# KiCad board rabbit_mask.kicad_pcb (continued)
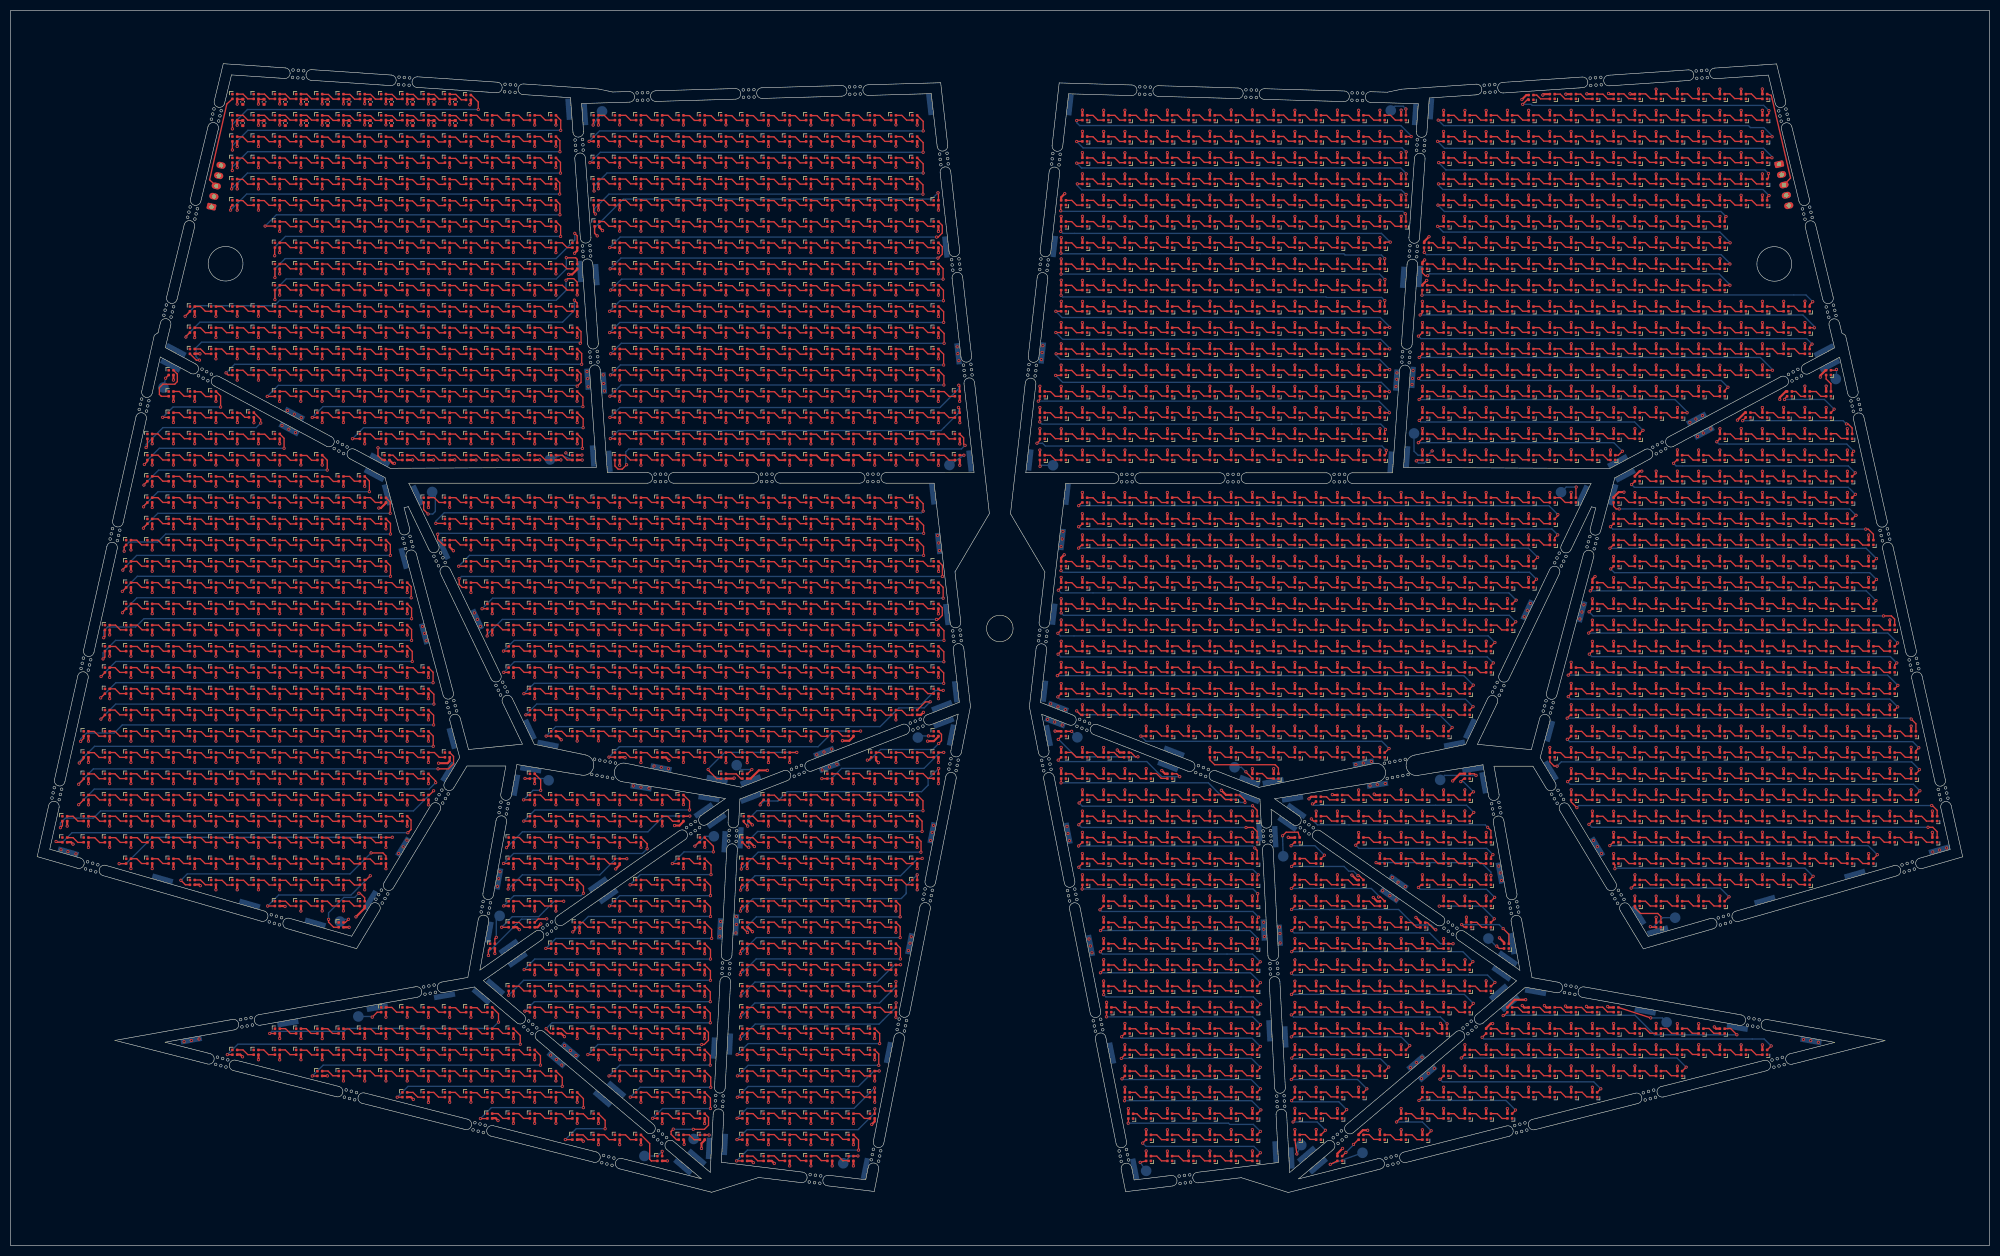
[diagram p0: board, top side]
## Routing (per net, layer and track width the routed paths; a pad name or vN(x,y) marks a point on that pad's centre or on a via; arc(x,y) is an arc through that point) (continued)
Net-(D225-DOUT): length 3.5
  Top w0.25: D226.1 116.65,187.91 115.75,188.81 D225.3
Net-(D226-DOUT): length 3.5
  Top w0.25: 118.7,188.81 119.8,188.81 120.7,187.91 121.8,187.91
Net-(D227-DOUT): length 3.5
  Top w0.25: 122.6,188.81 123.7,188.81 124.6,187.91 125.7,187.91
Net-(D228-DOUT): length 3.5
  Top w0.25: D228.3 127.75,188.81 128.65,187.91 D229.1
Net-(D229-DOUT): length 3.5
  Top w0.25: 133.8,187.86 132.7,187.86 131.8,188.76 130.7,188.76
Net-(D230-DOUT): length 3.5
  Top w0.25: 134.75,188.76 135.85,188.76 136.75,187.86 137.85,187.86
Net-(D231-DOUT): length 3.5
  Top w0.25: 138.65,188.76 139.75,188.76 140.65,187.86 141.75,187.86
Net-(D232-DOUT): length 3.5
  Top w0.25: 145.8,187.86 144.7,187.86 143.8,188.76 142.7,188.76
Net-(D233-DOUT): length 3.5
  Top w0.25: 149.7,187.86 148.6,187.86 147.7,188.76 146.6,188.76
Net-(D234-DOUT): length 3.5
  Top w0.25: 150.6,188.76 151.7,188.76 152.6,187.86 153.7,187.86
Net-(D235-DOUT): length 3.5
  Top w0.25: 157.8,187.86 156.7,187.86 155.8,188.76 154.7,188.76
Net-(D236-DOUT): length 3.5
  Top w0.25: D236.3 159.75,188.81 160.65,187.91 D237.1
Net-(D237-DOUT): length 3.5
  Top w0.25: 165.65,187.91 164.55,187.91 163.65,188.81 162.55,188.81
Net-(D238-DOUT): length 3.5
  Top w0.25: 166.55,188.81 167.65,188.81 168.55,187.91 169.65,187.91
Net-(D239-DOUT): length 3.5
  Top w0.25: D239.3 171.75,188.81 172.65,187.91 D240.1
Net-(D240-DOUT): length 67
  Top w0.25: D256.1 113.74,183.9 v1(112.85,183.9) ; v1(174.55,185.93) 174.65,185.93 175.38,186.66 175.38,188.09 D240.3
  Bottom w0.25: v1(112.85,183.9) 114.88,185.93 v1(174.55,185.93)
Net-(D241-DOUT): length 3.5
  Top w0.25: D241.3 51.75,184.81 52.65,183.91 D242.1
Net-(D242-DOUT): length 3.5
  Top w0.25: 54.7,184.81 55.8,184.81 56.7,183.91 57.8,183.91
Net-(D243-DOUT): length 3.5
  Top w0.25: 58.6,184.81 59.7,184.81 60.6,183.91 61.7,183.91
Net-(D244-DOUT): length 3.5
  Top w0.25: D245.1 64.65,183.91 63.75,184.81 D244.3
Net-(D245-DOUT): length 3.5
  Top w0.25: 66.7,184.76 67.8,184.76 68.7,183.86 69.8,183.86
Net-(D246-DOUT): length 3.5
  Top w0.25: 73.85,183.86 72.75,183.86 71.85,184.76 70.75,184.76
Net-(D247-DOUT): length 3.5
  Top w0.25: 74.65,184.76 75.75,184.76 76.65,183.86 77.75,183.86
Net-(D248-DOUT): length 3.5
  Top w0.25: 81.8,183.86 80.7,183.86 79.8,184.76 78.7,184.76
Net-(D249-DOUT): length 3.5
  Top w0.25: 82.6,184.76 83.7,184.76 84.6,183.86 85.7,183.86
Net-(D250-DOUT): length 3.5
  Top w0.25: 86.6,184.76 87.7,184.76 88.6,183.86 89.7,183.86
Net-(D251-DOUT): length 3.5
  Top w0.25: 93.8,183.86 92.7,183.86 91.8,184.76 90.7,184.76
Net-(D252-DOUT): length 3.5
  Top w0.25: D253.1 96.65,183.91 95.75,184.81 D252.3
Net-(D253-DOUT): length 3.5
  Top w0.25: D254.1 100.65,183.91 99.75,184.81 D253.3
Net-(D254-DOUT): length 3.5
  Top w0.25: 105.85,183.91 104.75,183.91 103.85,184.81 102.75,184.81
Net-(D255-DOUT): length 65.2
  Top w0.25: v1(49.75,178.11) D272.1 ; v1(104.6,185.99) 106.38,185.99 106.65,185.71 D255.3
  Bottom w0.25: v1(49.75,178.11) 49.75,179.89 51.88,182.01 102.73,182.01 104.6,183.89 v1(104.6,185.99)
Net-(D256-DOUT): length 3.5
  Top w0.25: D256.3 115.75,184.81 116.65,183.91 D257.1
Net-(D257-DOUT): length 3.5
  Top w0.25: 121.8,183.91 120.7,183.91 119.8,184.81 118.7,184.81
Net-(D258-DOUT): length 3.5
  Top w0.25: 122.6,184.81 123.7,184.81 124.6,183.91 125.7,183.91
Net-(D259-DOUT): length 3.5
  Top w0.25: D259.3 127.75,184.81 128.65,183.91 D260.1
Net-(D260-DOUT): length 3.5
  Top w0.25: 133.8,183.86 132.7,183.86 131.8,184.76 130.7,184.76
Net-(D261-DOUT): length 3.5
  Top w0.25: 137.85,183.86 136.75,183.86 135.85,184.76 134.75,184.76
Net-(D262-DOUT): length 3.5
  Top w0.25: 141.75,183.86 140.65,183.86 139.75,184.76 138.65,184.76
Net-(D263-DOUT): length 3.5
  Top w0.25: 142.7,184.76 143.8,184.76 144.7,183.86 145.8,183.86
Net-(D264-DOUT): length 3.5
  Top w0.25: 146.6,184.76 147.7,184.76 148.6,183.86 149.7,183.86
Net-(D265-DOUT): length 3.5
  Top w0.25: 153.7,183.86 152.6,183.86 151.7,184.76 150.6,184.76
Net-(D266-DOUT): length 3.5
  Top w0.25: 157.8,183.86 156.7,183.86 155.8,184.76 154.7,184.76
Net-(D267-DOUT): length 3.5
  Top w0.25: D267.3 159.75,184.81 160.65,183.91 D268.1
Net-(D268-DOUT): length 3.5
  Top w0.25: 165.65,183.91 164.55,183.91 163.65,184.81 162.55,184.81
Net-(D269-DOUT): length 3.5
  Top w0.25: 169.65,183.91 168.55,183.91 167.65,184.81 166.55,184.81
Net-(D270-DOUT): length 3.5
  Top w0.25: D271.1 172.65,183.91 171.75,184.81 D270.3
Net-(D271-DOUT): length 67.5
  Top w0.25: D287.1 113.74,179.9 v1(112.93,179.9) ; D271.3 175.53,183.93 v1(175.53,181.96)
  Bottom w0.25: v1(112.93,179.9) 114.99,181.96 v1(175.53,181.96)
Net-(D272-DOUT): length 3.5
  Top w0.25: D273.1 52.65,179.91 51.75,180.81 D272.3
Net-(D273-DOUT): length 3.5
  Top w0.25: 57.8,179.91 56.7,179.91 55.8,180.81 54.7,180.81
Net-(D274-DOUT): length 3.5
  Top w0.25: 61.7,179.91 60.6,179.91 59.7,180.81 58.6,180.81
Net-(D275-DOUT): length 3.5
  Top w0.25: D275.3 63.75,180.81 64.65,179.91 D276.1
Net-(D276-DOUT): length 3.5
  Top w0.25: 69.8,179.86 68.7,179.86 67.8,180.76 66.7,180.76
Net-(D277-DOUT): length 3.5
  Top w0.25: 70.75,180.76 71.85,180.76 72.75,179.86 73.85,179.86
Net-(D278-DOUT): length 3.5
  Top w0.25: 77.75,179.86 76.65,179.86 75.75,180.76 74.65,180.76
Net-(D279-DOUT): length 3.5
  Top w0.25: 81.8,179.86 80.7,179.86 79.8,180.76 78.7,180.76
Net-(D280-DOUT): length 3.5
  Top w0.25: 82.6,180.76 83.7,180.76 84.6,179.86 85.7,179.86
Net-(D281-DOUT): length 3.5
  Top w0.25: 86.6,180.76 87.7,180.76 88.6,179.86 89.7,179.86
Net-(D282-DOUT): length 3.5
  Top w0.25: 93.8,179.86 92.7,179.86 91.8,180.76 90.7,180.76
Net-(D283-DOUT): length 3.5
  Top w0.25: D284.1 96.65,179.91 95.75,180.81 D283.3
Net-(D284-DOUT): length 3.5
  Top w0.25: D285.1 100.65,179.91 99.75,180.81 D284.3
Net-(D285-DOUT): length 3.5
  Top w0.25: 105.85,179.91 104.75,179.91 103.85,180.81 102.75,180.81
Net-(D286-DOUT): length 80.1
  Top w0.25: v1(32.85,174.96) 33.75,175.86 D303.1 ; v1(104.55,181.76) 104.85,182.06 106,182.06 106.65,181.41 D286.3
  Bottom w0.25: v1(32.85,174.96) 32.85,175.01 34.8,176.96 49.63,176.96 50.65,177.99 102.7,177.99 104.55,179.84 v1(104.55,181.76)
Net-(D287-DOUT): length 3.5
  Top w0.25: 117.75,179.89 116.65,179.89 115.75,180.79 114.65,180.79
Net-(D288-DOUT): length 3.5
  Top w0.25: 121.8,179.89 120.7,179.89 119.8,180.79 118.7,180.79
Net-(D289-DOUT): length 3.5
  Top w0.25: 122.6,180.79 123.7,180.79 124.6,179.89 125.7,179.89
Net-(D290-DOUT): length 3.5
  Top w0.25: 126.65,180.79 127.75,180.79 128.65,179.89 129.75,179.89
Net-(D291-DOUT): length 3.5
  Top w0.25: 130.7,180.74 131.8,180.74 132.7,179.84 133.8,179.84
Net-(D292-DOUT): length 3.5
  Top w0.25: 134.75,180.74 135.85,180.74 136.75,179.84 137.85,179.84
Net-(D293-DOUT): length 3.5
  Top w0.25: 138.65,180.74 139.75,180.74 140.65,179.84 141.75,179.84
Net-(D294-DOUT): length 3.5
  Top w0.25: 142.7,180.74 143.8,180.74 144.7,179.84 145.8,179.84
Net-(D295-DOUT): length 3.5
  Top w0.25: 149.7,179.84 148.6,179.84 147.7,180.74 146.6,180.74
Net-(D296-DOUT): length 3.5
  Top w0.25: 150.6,180.74 151.7,180.74 152.6,179.84 153.7,179.84
Net-(D297-DOUT): length 3.5
  Top w0.25: 154.7,180.74 155.8,180.74 156.7,179.84 157.8,179.84
Net-(D298-DOUT): length 3.5
  Top w0.25: 161.75,179.89 160.65,179.89 159.75,180.79 158.65,180.79
Net-(D299-DOUT): length 3.5
  Top w0.25: 162.55,180.79 163.65,180.79 164.55,179.89 165.65,179.89
Net-(D300-DOUT): length 3.5
  Top w0.25: 169.65,179.89 168.55,179.89 167.65,180.79 166.55,180.79
Net-(D301-DOUT): length 3.5
  Top w0.25: 173.75,179.89 172.65,179.89 171.75,180.79 170.65,180.79
Net-(D302-DOUT): length 68
  Top w0.25: D302.3 175.59,179.87 v1(175.59,177.9) ; v1(112.74,175.91) D322.1
  Bottom w0.25: v1(112.74,175.91) 114.73,177.9 v1(175.59,177.9)
Net-(D303-DOUT): length 3.5
  Top w0.25: D303.3 35.75,176.81 36.65,175.91 D304.1
Net-(D304-DOUT): length 3.5
  Top w0.25: D304.3 39.75,176.81 40.65,175.91 D305.1
Net-(D305-DOUT): length 3.5
  Top w0.25: 42.75,176.81 43.85,176.81 44.75,175.91 45.85,175.91
Net-(D306-DOUT): length 3.5
  Top w0.25: 49.75,175.89 48.65,175.89 47.75,176.79 46.65,176.79
Net-(D307-DOUT): length 3.5
  Top w0.25: 53.75,175.89 52.65,175.89 51.75,176.79 50.65,176.79
Net-(D308-DOUT): length 3.5
  Top w0.25: 54.7,176.79 55.8,176.79 56.7,175.89 57.8,175.89
Net-(D309-DOUT): length 3.5
  Top w0.25: 58.6,176.79 59.7,176.79 60.6,175.89 61.7,175.89
Net-(D310-DOUT): length 3.5
  Top w0.25: 62.65,176.79 63.75,176.79 64.65,175.89 65.75,175.89
Net-(D311-DOUT): length 3.5
  Top w0.25: 66.7,176.74 67.8,176.74 68.7,175.84 69.8,175.84
Net-(D312-DOUT): length 3.5
  Top w0.25: 73.85,175.84 72.75,175.84 71.85,176.74 70.75,176.74
Net-(D313-DOUT): length 3.5
  Top w0.25: 74.65,176.74 75.75,176.74 76.65,175.84 77.75,175.84
Net-(D314-DOUT): length 3.5
  Top w0.25: 78.7,176.74 79.8,176.74 80.7,175.84 81.8,175.84
Net-(D315-DOUT): length 3.5
  Top w0.25: 82.6,176.74 83.7,176.74 84.6,175.84 85.7,175.84
Net-(D316-DOUT): length 3.5
  Top w0.25: 86.6,176.74 87.7,176.74 88.6,175.84 89.7,175.84
Net-(D317-DOUT): length 3.5
  Top w0.25: 90.7,176.74 91.8,176.74 92.7,175.84 93.8,175.84
Net-(D318-DOUT): length 3.5
  Top w0.25: D318.3 95.75,176.81 96.65,175.91 D319.1
Net-(D319-DOUT): length 3.5
  Top w0.25: D320.1 100.65,175.91 99.75,176.81 D319.3
Net-(D320-DOUT): length 3.5
  Top w0.25: 102.75,176.81 103.85,176.81 104.75,175.91 105.85,175.91
Net-(D321-DOUT): length 79.8
  Top w0.25: D338.1 33,171.16 v1(33,171.06) ; D321.3 106.65,177.49 v1(106.13,178.01)
  Bottom w0.25: v1(106.13,178.01) 106.13,176.09 103.9,173.86 35.62,173.86 33,171.24 v1(33,171.06)
Net-(D322-DOUT): length 3.5
  Top w0.25: 117.75,175.89 116.65,175.89 115.75,176.79 114.65,176.79
Net-(D323-DOUT): length 3.5
  Top w0.25: 118.7,176.79 119.8,176.79 120.7,175.89 121.8,175.89
Net-(D324-DOUT): length 3.5
  Top w0.25: 122.6,176.79 123.7,176.79 124.6,175.89 125.7,175.89
Net-(D325-DOUT): length 3.5
  Top w0.25: 129.75,175.89 128.65,175.89 127.75,176.79 126.65,176.79
Net-(D326-DOUT): length 3.5
  Top w0.25: 130.7,176.74 131.8,176.74 132.7,175.84 133.8,175.84
Net-(D327-DOUT): length 3.5
  Top w0.25: 137.85,175.84 136.75,175.84 135.85,176.74 134.75,176.74
Net-(D328-DOUT): length 3.5
  Top w0.25: 138.65,176.74 139.75,176.74 140.65,175.84 141.75,175.84
Net-(D329-DOUT): length 3.5
  Top w0.25: 145.8,175.84 144.7,175.84 143.8,176.74 142.7,176.74
Net-(D330-DOUT): length 3.5
  Top w0.25: 146.6,176.74 147.7,176.74 148.6,175.84 149.7,175.84
Net-(D331-DOUT): length 3.5
  Top w0.25: 153.7,175.84 152.6,175.84 151.7,176.74 150.6,176.74
Net-(D332-DOUT): length 3.5
  Top w0.25: 154.7,176.74 155.8,176.74 156.7,175.84 157.8,175.84
Net-(D333-DOUT): length 3.5
  Top w0.25: 158.65,176.79 159.75,176.79 160.65,175.89 161.75,175.89
Net-(D334-DOUT): length 3.5
  Top w0.25: 162.55,176.79 163.65,176.79 164.55,175.89 165.65,175.89
Net-(D335-DOUT): length 3.5
  Top w0.25: 169.65,175.89 168.55,175.89 167.65,176.79 166.55,176.79
Net-(D336-DOUT): length 3.5
  Top w0.25: 170.65,176.79 171.75,176.79 172.65,175.89 173.75,175.89
Net-(D337-DOUT): length 68.1
  Top w0.25: D357.1 113.74,171.9 v1(112.76,171.9) ; v1(175.63,173.81) 175.63,175.83 D337.3
  Bottom w0.25: v1(175.63,173.81) 114.67,173.81 v1(112.76,171.9)
Net-(D338-DOUT): length 3.5
  Top w0.25: 34.65,172.79 35.75,172.79 36.65,171.89 37.75,171.89
Net-(D339-DOUT): length 3.5
  Top w0.25: 41.75,171.89 40.65,171.89 39.75,172.79 38.65,172.79
Net-(D340-DOUT): length 3.5
  Top w0.25: 45.85,171.89 44.75,171.89 43.85,172.79 42.75,172.79
Net-(D341-DOUT): length 3.5
  Top w0.25: D342.1 48.65,171.91 47.75,172.81 D341.3
Net-(D342-DOUT): length 3.5
  Top w0.25: D342.3 51.75,172.81 52.65,171.91 D343.1
Net-(D343-DOUT): length 3.5
  Top w0.25: 54.7,172.81 55.8,172.81 56.7,171.91 57.8,171.91
Net-(D344-DOUT): length 3.5
  Top w0.25: 58.6,172.81 59.7,172.81 60.6,171.91 61.7,171.91
Net-(D345-DOUT): length 3.5
  Top w0.25: D345.3 63.75,172.81 64.65,171.91 D346.1
Net-(D346-DOUT): length 3.5
  Top w0.25: 66.7,172.76 67.8,172.76 68.7,171.86 69.8,171.86
Net-(D347-DOUT): length 3.5
  Top w0.25: 73.85,171.86 72.75,171.86 71.85,172.76 70.75,172.76
Net-(D348-DOUT): length 3.5
  Top w0.25: 77.75,171.86 76.65,171.86 75.75,172.76 74.65,172.76
Net-(D349-DOUT): length 3.5
  Top w0.25: 78.7,172.76 79.8,172.76 80.7,171.86 81.8,171.86
Net-(D350-DOUT): length 3.5
  Top w0.25: 85.7,171.86 84.6,171.86 83.7,172.76 82.6,172.76
Net-(D351-DOUT): length 3.5
  Top w0.25: 86.6,172.76 87.7,172.76 88.6,171.86 89.7,171.86
Net-(D352-DOUT): length 3.5
  Top w0.25: 90.7,172.76 91.8,172.76 92.7,171.86 93.8,171.86
Net-(D353-DOUT): length 3.5
  Top w0.25: D353.3 95.75,172.81 96.65,171.91 D354.1
Net-(D354-DOUT): length 3.5
  Top w0.25: D354.3 99.75,172.81 100.65,171.91 D355.1
Net-(D355-DOUT): length 3.5
  Top w0.25: 105.85,171.91 104.75,171.91 103.85,172.81 102.75,172.81
Net-(D356-DOUT): length 81
  Top w0.25: D356.3 107.38,172.09 107.38,170.04 v1(107.23,169.89) ; D373.1 34.95,166.71 v1(35.55,166.71)
  Bottom w0.25: v1(35.55,166.71) 34.91,167.35 34.91,169.08 35.92,170.09 107.02,170.09 v1(107.23,169.89)
Net-(D357-DOUT): length 3.5
  Top w0.25: D357.3 115.75,172.81 116.65,171.91 D358.1
Net-(D358-DOUT): length 3.5
  Top w0.25: 121.8,171.91 120.7,171.91 119.8,172.81 118.7,172.81
Net-(D359-DOUT): length 3.5
  Top w0.25: 125.7,171.91 124.6,171.91 123.7,172.81 122.6,172.81
Net-(D360-DOUT): length 3.5
  Top w0.25: D361.1 128.65,171.91 127.75,172.81 D360.3
Net-(D361-DOUT): length 3.5
  Top w0.25: 133.8,171.86 132.7,171.86 131.8,172.76 130.7,172.76
Net-(D362-DOUT): length 3.5
  Top w0.25: 134.75,172.76 135.85,172.76 136.75,171.86 137.85,171.86
Net-(D363-DOUT): length 3.5
  Top w0.25: 141.75,171.86 140.65,171.86 139.75,172.76 138.65,172.76
Net-(D364-DOUT): length 3.5
  Top w0.25: 142.7,172.76 143.8,172.76 144.7,171.86 145.8,171.86
Net-(D365-DOUT): length 3.5
  Top w0.25: 146.6,172.76 147.7,172.76 148.6,171.86 149.7,171.86
Net-(D366-DOUT): length 3.5
  Top w0.25: 150.6,172.76 151.7,172.76 152.6,171.86 153.7,171.86
Net-(D367-DOUT): length 3.5
  Top w0.25: 157.8,171.86 156.7,171.86 155.8,172.76 154.7,172.76
Net-(D368-DOUT): length 3.5
  Top w0.25: D368.3 159.75,172.81 160.65,171.91 D369.1
Net-(D369-DOUT): length 3.5
  Top w0.25: 165.65,171.91 164.55,171.91 163.65,172.81 162.55,172.81
Net-(D370-DOUT): length 3.5
  Top w0.25: 166.55,172.81 167.65,172.81 168.55,171.91 169.65,171.91
Net-(D371-DOUT): length 3.5
  Top w0.25: D372.1 172.65,171.91 171.75,172.81 D371.3
Net-(D372-DOUT): length 67.7
  Top w0.25: D372.3 175.72,171.74 v1(175.72,169.88) ; v1(112.96,167.91) D392.1
  Bottom w0.25: v1(175.72,169.88) 114.93,169.88 v1(112.96,167.91)
Net-(D373-DOUT): length 3.5
  Top w0.25: D373.3 35.75,168.81 36.65,167.91 D374.1
Net-(D374-DOUT): length 3.5
  Top w0.25: D374.3 39.75,168.81 40.65,167.91 D375.1
Net-(D375-DOUT): length 3.5
  Top w0.25: 45.85,167.91 44.75,167.91 43.85,168.81 42.75,168.81
Net-(D376-DOUT): length 3.5
  Top w0.25: D376.3 47.75,168.81 48.65,167.91 D377.1
Net-(D377-DOUT): length 3.5
  Top w0.25: 50.65,168.79 51.75,168.79 52.65,167.89 53.75,167.89
Net-(D378-DOUT): length 3.5
  Top w0.25: 54.7,168.79 55.8,168.79 56.7,167.89 57.8,167.89
Net-(D379-DOUT): length 3.5
  Top w0.25: 61.7,167.89 60.6,167.89 59.7,168.79 58.6,168.79
Net-(D380-DOUT): length 3.5
  Top w0.25: 65.75,167.89 64.65,167.89 63.75,168.79 62.65,168.79
Net-(D381-DOUT): length 3.5
  Top w0.25: 66.7,168.74 67.8,168.74 68.7,167.84 69.8,167.84
Net-(D382-DOUT): length 3.5
  Top w0.25: 70.75,168.74 71.85,168.74 72.75,167.84 73.85,167.84
Net-(D383-DOUT): length 3.5
  Top w0.25: 74.65,168.74 75.75,168.74 76.65,167.84 77.75,167.84
Net-(D384-DOUT): length 3.5
  Top w0.25: 81.8,167.84 80.7,167.84 79.8,168.74 78.7,168.74
Net-(D385-DOUT): length 3.5
  Top w0.25: 85.7,167.84 84.6,167.84 83.7,168.74 82.6,168.74
Net-(D386-DOUT): length 3.5
  Top w0.25: 89.7,167.84 88.6,167.84 87.7,168.74 86.6,168.74
Net-(D387-DOUT): length 3.5
  Top w0.25: 90.7,168.74 91.8,168.74 92.7,167.84 93.8,167.84
Net-(D388-DOUT): length 3.5
  Top w0.25: D388.3 95.75,168.81 96.65,167.91 D389.1
Net-(D389-DOUT): length 3.5
  Top w0.25: D390.1 100.65,167.91 99.75,168.81 D389.3
Net-(D390-DOUT): length 3.5
  Top w0.25: 102.75,168.81 103.85,168.81 104.75,167.91 105.85,167.91
Net-(D391-DOUT): length 72.2
  Top w0.25: D409.1 40.95,163.91 v1(40.55,164.31) ; D391.3 107.5,167.96 v1(107.5,165.94)
  Bottom w0.25: v1(107.5,165.94) 42.17,165.94 v1(40.55,164.31)
Net-(D392-DOUT): length 3.5
  Top w0.25: 114.65,168.79 115.75,168.79 116.65,167.89 117.75,167.89
Net-(D393-DOUT): length 3.5
  Top w0.25: 121.8,167.89 120.7,167.89 119.8,168.79 118.7,168.79
Net-(D394-DOUT): length 3.5
  Top w0.25: 122.6,168.79 123.7,168.79 124.6,167.89 125.7,167.89
Net-(D395-DOUT): length 3.5
  Top w0.25: 126.65,168.79 127.75,168.79 128.65,167.89 129.75,167.89
Net-(D396-DOUT): length 3.5
  Top w0.25: 130.7,168.74 131.8,168.74 132.7,167.84 133.8,167.84
Net-(D397-DOUT): length 3.5
  Top w0.25: 137.85,167.84 136.75,167.84 135.85,168.74 134.75,168.74
Net-(D398-DOUT): length 3.5
  Top w0.25: 141.75,167.84 140.65,167.84 139.75,168.74 138.65,168.74
Net-(D399-DOUT): length 3.5
  Top w0.25: 142.7,168.74 143.8,168.74 144.7,167.84 145.8,167.84
Net-(D400-DOUT): length 3.5
  Top w0.25: 146.6,168.74 147.7,168.74 148.6,167.84 149.7,167.84
Net-(D401-DOUT): length 3.5
  Top w0.25: 150.6,168.74 151.7,168.74 152.6,167.84 153.7,167.84
Net-(D402-DOUT): length 3.5
  Top w0.25: 157.8,167.84 156.7,167.84 155.8,168.74 154.7,168.74
Net-(D403-DOUT): length 3.5
  Top w0.25: 161.75,167.89 160.65,167.89 159.75,168.79 158.65,168.79
Net-(D404-DOUT): length 3.5
  Top w0.25: 162.55,168.79 163.65,168.79 164.55,167.89 165.65,167.89
Net-(D405-DOUT): length 3.5
  Top w0.25: 169.65,167.89 168.55,167.89 167.65,168.79 166.55,168.79
Net-(D406-DOUT): length 3.5
  Top w0.25: 173.75,167.89 172.65,167.89 171.75,168.79 170.65,168.79
Net-(D407-DOUT): length 67.8
  Top w0.25: D407.3 175.63,167.83 v1(175.63,165.8) ; v1(112.9,163.92) 113.74,163.92 D426.1
  Bottom w0.25: v1(112.9,163.92) 114.78,165.8 v1(175.63,165.8)
Net-(D408-DOUT): length 9.5
  Top w0.25: D408.3 31.37,164.09 31.37,162.66 30.9,162.19 28.68,162.19 28,161.51 28,160.26 28.37,159.89 28.4,159.91 D442.1
Net-(D409-DOUT): length 3.5
  Top w0.25: D409.3 43.75,164.81 44.65,163.91 D410.1
Net-(D410-DOUT): length 3.5
  Top w0.25: D410.3 47.75,164.81 48.65,163.91 D411.1
Net-(D411-DOUT): length 3.5
  Top w0.25: D412.1 52.65,163.91 51.75,164.81 D411.3
Net-(D412-DOUT): length 3.5
  Top w0.25: 57.8,163.91 56.7,163.91 55.8,164.81 54.7,164.81
Net-(D413-DOUT): length 3.5
  Top w0.25: 61.7,163.91 60.6,163.91 59.7,164.81 58.6,164.81
Net-(D414-DOUT): length 3.5
  Top w0.25: D415.1 64.65,163.91 63.75,164.81 D414.3
Net-(D415-DOUT): length 3.5
  Top w0.25: 69.8,163.86 68.7,163.86 67.8,164.76 66.7,164.76
Net-(D416-DOUT): length 3.5
  Top w0.25: 73.85,163.86 72.75,163.86 71.85,164.76 70.75,164.76
Net-(D417-DOUT): length 3.5
  Top w0.25: 74.65,164.76 75.75,164.76 76.65,163.86 77.75,163.86
Net-(D418-DOUT): length 3.5
  Top w0.25: 78.7,164.76 79.8,164.76 80.7,163.86 81.8,163.86
Net-(D419-DOUT): length 3.5
  Top w0.25: 82.6,164.76 83.7,164.76 84.6,163.86 85.7,163.86
Net-(D420-DOUT): length 3.5
  Top w0.25: 86.6,164.76 87.7,164.76 88.6,163.86 89.7,163.86
Net-(D421-DOUT): length 3.5
  Top w0.25: 93.8,163.86 92.7,163.86 91.8,164.76 90.7,164.76
Net-(D422-DOUT): length 3.5
  Top w0.25: D423.1 96.65,163.91 95.75,164.81 D422.3
Net-(D423-DOUT): length 3.5
  Top w0.25: D423.3 99.75,164.81 100.65,163.91 D424.1
Net-(D424-DOUT): length 3.5
  Top w0.25: 105.85,163.91 104.75,163.91 103.85,164.81 102.75,164.81
Net-(D425-DOUT): length 64.3
  Top w0.25: v1(48.3,159.89) 49.73,159.89 D445.1 ; D425.3 107.38,164.09 107.38,162.54 v1(106.65,161.81)
  Bottom w0.25: v1(106.65,161.81) 106.5,161.96 50.38,161.96 v1(48.3,159.89)
Net-(D426-DOUT): length 3.5
  Top w0.25: D426.3 115.75,164.81 116.65,163.91 D427.1
Net-(D427-DOUT): length 3.5
  Top w0.25: 118.7,164.81 119.8,164.81 120.7,163.91 121.8,163.91
Net-(D428-DOUT): length 3.5
  Top w0.25: 125.7,163.91 124.6,163.91 123.7,164.81 122.6,164.81
Net-(D429-DOUT): length 3.5
  Top w0.25: D429.3 127.75,164.81 128.65,163.91 D430.1
Net-(D430-DOUT): length 3.5
  Top w0.25: 133.8,163.86 132.7,163.86 131.8,164.76 130.7,164.76
Net-(D431-DOUT): length 3.5
  Top w0.25: 137.85,163.86 136.75,163.86 135.85,164.76 134.75,164.76
Net-(D432-DOUT): length 3.5
  Top w0.25: 141.75,163.86 140.65,163.86 139.75,164.76 138.65,164.76
Net-(D433-DOUT): length 3.5
  Top w0.25: 145.8,163.86 144.7,163.86 143.8,164.76 142.7,164.76
Net-(D434-DOUT): length 3.5
  Top w0.25: 146.6,164.76 147.7,164.76 148.6,163.86 149.7,163.86
Net-(D435-DOUT): length 3.5
  Top w0.25: 153.7,163.86 152.6,163.86 151.7,164.76 150.6,164.76
Net-(D436-DOUT): length 3.5
  Top w0.25: 154.7,164.76 155.8,164.76 156.7,163.86 157.8,163.86
Net-(D437-DOUT): length 3.5
  Top w0.25: D438.1 160.65,163.91 159.75,164.81 D437.3
Net-(D438-DOUT): length 3.5
  Top w0.25: 162.55,164.81 163.65,164.81 164.55,163.91 165.65,163.91
Net-(D439-DOUT): length 3.5
  Top w0.25: 166.55,164.81 167.65,164.81 168.55,163.91 169.65,163.91
Net-(D440-DOUT): length 3.5
  Top w0.25: D441.1 172.65,163.91 171.75,164.81 D440.3
Net-(D441-DOUT): length 67.9
  Top w0.25: v1(175.68,162.03) 175.68,163.78 D441.3 ; D460.1 113.74,159.92 v1(112.8,159.92)
  Bottom w0.25: v1(175.68,162.03) 114.91,162.03 v1(112.8,159.92)
Net-(D442-DOUT): length 3.5
  Top w0.25: D442.3 31.75,160.81 32.65,159.91 D443.1
Net-(D443-DOUT): length 3.5
  Top w0.25: 37.8,159.86 36.7,159.86 35.8,160.76 34.7,160.76
Net-(D444-DOUT): length 16.1
  Top w0.25: v1(39.53,157.89) 39.53,159.94 D444.3 ; v1(28.62,155.94) 29.72,155.94 D477.1
  Bottom w0.25: v1(39.53,157.89) 30.57,157.89 v1(28.62,155.94)
Net-(D445-DOUT): length 3.5
  Top w0.25: D445.3 51.75,160.81 52.65,159.91 D446.1
Net-(D446-DOUT): length 3.5
  Top w0.25: 54.7,160.81 55.8,160.81 56.7,159.91 57.8,159.91
Net-(D447-DOUT): length 3.5
  Top w0.25: 61.7,159.91 60.6,159.91 59.7,160.81 58.6,160.81
Net-(D448-DOUT): length 3.5
  Top w0.25: D448.3 63.75,160.81 64.65,159.91 D449.1
Net-(D449-DOUT): length 3.5
  Top w0.25: 66.7,160.76 67.8,160.76 68.7,159.86 69.8,159.86
Net-(D450-DOUT): length 3.5
  Top w0.25: 70.75,160.76 71.85,160.76 72.75,159.86 73.85,159.86
Net-(D451-DOUT): length 3.5
  Top w0.25: 77.75,159.86 76.65,159.86 75.75,160.76 74.65,160.76
Net-(D452-DOUT): length 3.5
  Top w0.25: 81.8,159.86 80.7,159.86 79.8,160.76 78.7,160.76
Net-(D453-DOUT): length 3.5
  Top w0.25: 82.6,160.76 83.7,160.76 84.6,159.86 85.7,159.86
Net-(D454-DOUT): length 3.5
  Top w0.25: 89.7,159.86 88.6,159.86 87.7,160.76 86.6,160.76
Net-(D455-DOUT): length 3.5
  Top w0.25: 90.7,160.76 91.8,160.76 92.7,159.86 93.8,159.86
Net-(D456-DOUT): length 3.5
  Top w0.25: D456.3 95.75,160.81 96.65,159.91 D457.1
Net-(D457-DOUT): length 3.5
  Top w0.25: D458.1 100.65,159.91 99.75,160.81 D457.3
Net-(D458-DOUT): length 3.5
  Top w0.25: 105.85,159.91 104.75,159.91 103.85,160.81 102.75,160.81
Net-(D459-DOUT): length 56.1
  Top w0.25: D459.3 107.73,159.74 v1(107.73,157.96) ; v1(56.78,155.91) D482.1
  Bottom w0.25: v1(107.73,157.96) 58.83,157.96 v1(56.78,155.91)
Net-(D460-DOUT): length 3.5
  Top w0.25: D460.3 115.75,160.81 116.65,159.91 D461.1
Net-(D461-DOUT): length 3.5
  Top w0.25: 121.8,159.91 120.7,159.91 119.8,160.81 118.7,160.81
Net-(D462-DOUT): length 3.5
  Top w0.25: 122.6,160.81 123.7,160.81 124.6,159.91 125.7,159.91
Net-(D463-DOUT): length 3.5
  Top w0.25: D464.1 128.65,159.91 127.75,160.81 D463.3
Net-(D464-DOUT): length 3.5
  Top w0.25: 130.7,160.76 131.8,160.76 132.7,159.86 133.8,159.86
Net-(D465-DOUT): length 3.5
  Top w0.25: 137.85,159.86 136.75,159.86 135.85,160.76 134.75,160.76
Net-(D466-DOUT): length 3.5
  Top w0.25: 138.65,160.76 139.75,160.76 140.65,159.86 141.75,159.86
Net-(D467-DOUT): length 3.5
  Top w0.25: 142.7,160.76 143.8,160.76 144.7,159.86 145.8,159.86
Net-(D468-DOUT): length 3.5
  Top w0.25: 149.7,159.86 148.6,159.86 147.7,160.76 146.6,160.76
Net-(D469-DOUT): length 3.5
  Top w0.25: 153.7,159.86 152.6,159.86 151.7,160.76 150.6,160.76
Net-(D470-DOUT): length 3.5
  Top w0.25: 157.8,159.86 156.7,159.86 155.8,160.76 154.7,160.76
Net-(D471-DOUT): length 3.5
  Top w0.25: D471.3 159.75,160.81 160.65,159.91 D472.1
Net-(D472-DOUT): length 3.5
  Top w0.25: 162.55,160.81 163.65,160.81 164.55,159.91 165.65,159.91
Net-(D473-DOUT): length 3.5
  Top w0.25: 166.55,160.81 167.65,160.81 168.55,159.91 169.65,159.91
Net-(D474-DOUT): length 3.5
  Top w0.25: D474.3 171.75,160.81 172.65,159.91 D475.1
Net-(D475-DOUT): length 3.5
  Top w0.25: 174.65,160.79 175.75,160.79 176.65,159.89 177.75,159.89
Net-(D476-DOUT): length 70.7
  Top w0.25: v1(178.48,161.98) 178.65,161.81 D476.3 ; D495.1 113.74,155.92 v1(112.81,155.92)
  Bottom w0.25: v1(178.48,161.98) 178.48,161.33 174.94,157.79 114.68,157.79 v1(112.81,155.92)
Net-(D477-DOUT): length 3.5
  Top w0.25: D478.1 32.65,155.91 31.75,156.81 D477.3
Net-(D478-DOUT): length 3.5
  Top w0.25: 34.7,156.76 35.8,156.76 36.7,155.86 37.8,155.86
Net-(D479-DOUT): length 3.5
  Top w0.25: 38.75,156.76 39.85,156.76 40.75,155.86 41.85,155.86
Net-(D480-DOUT): length 2.6
  Top w0.25: 42.65,156.76 43.28,156.76 44.1,155.94 D481.1
